# KiCad board oresat-adcs-card.kicad_pcb (continued)
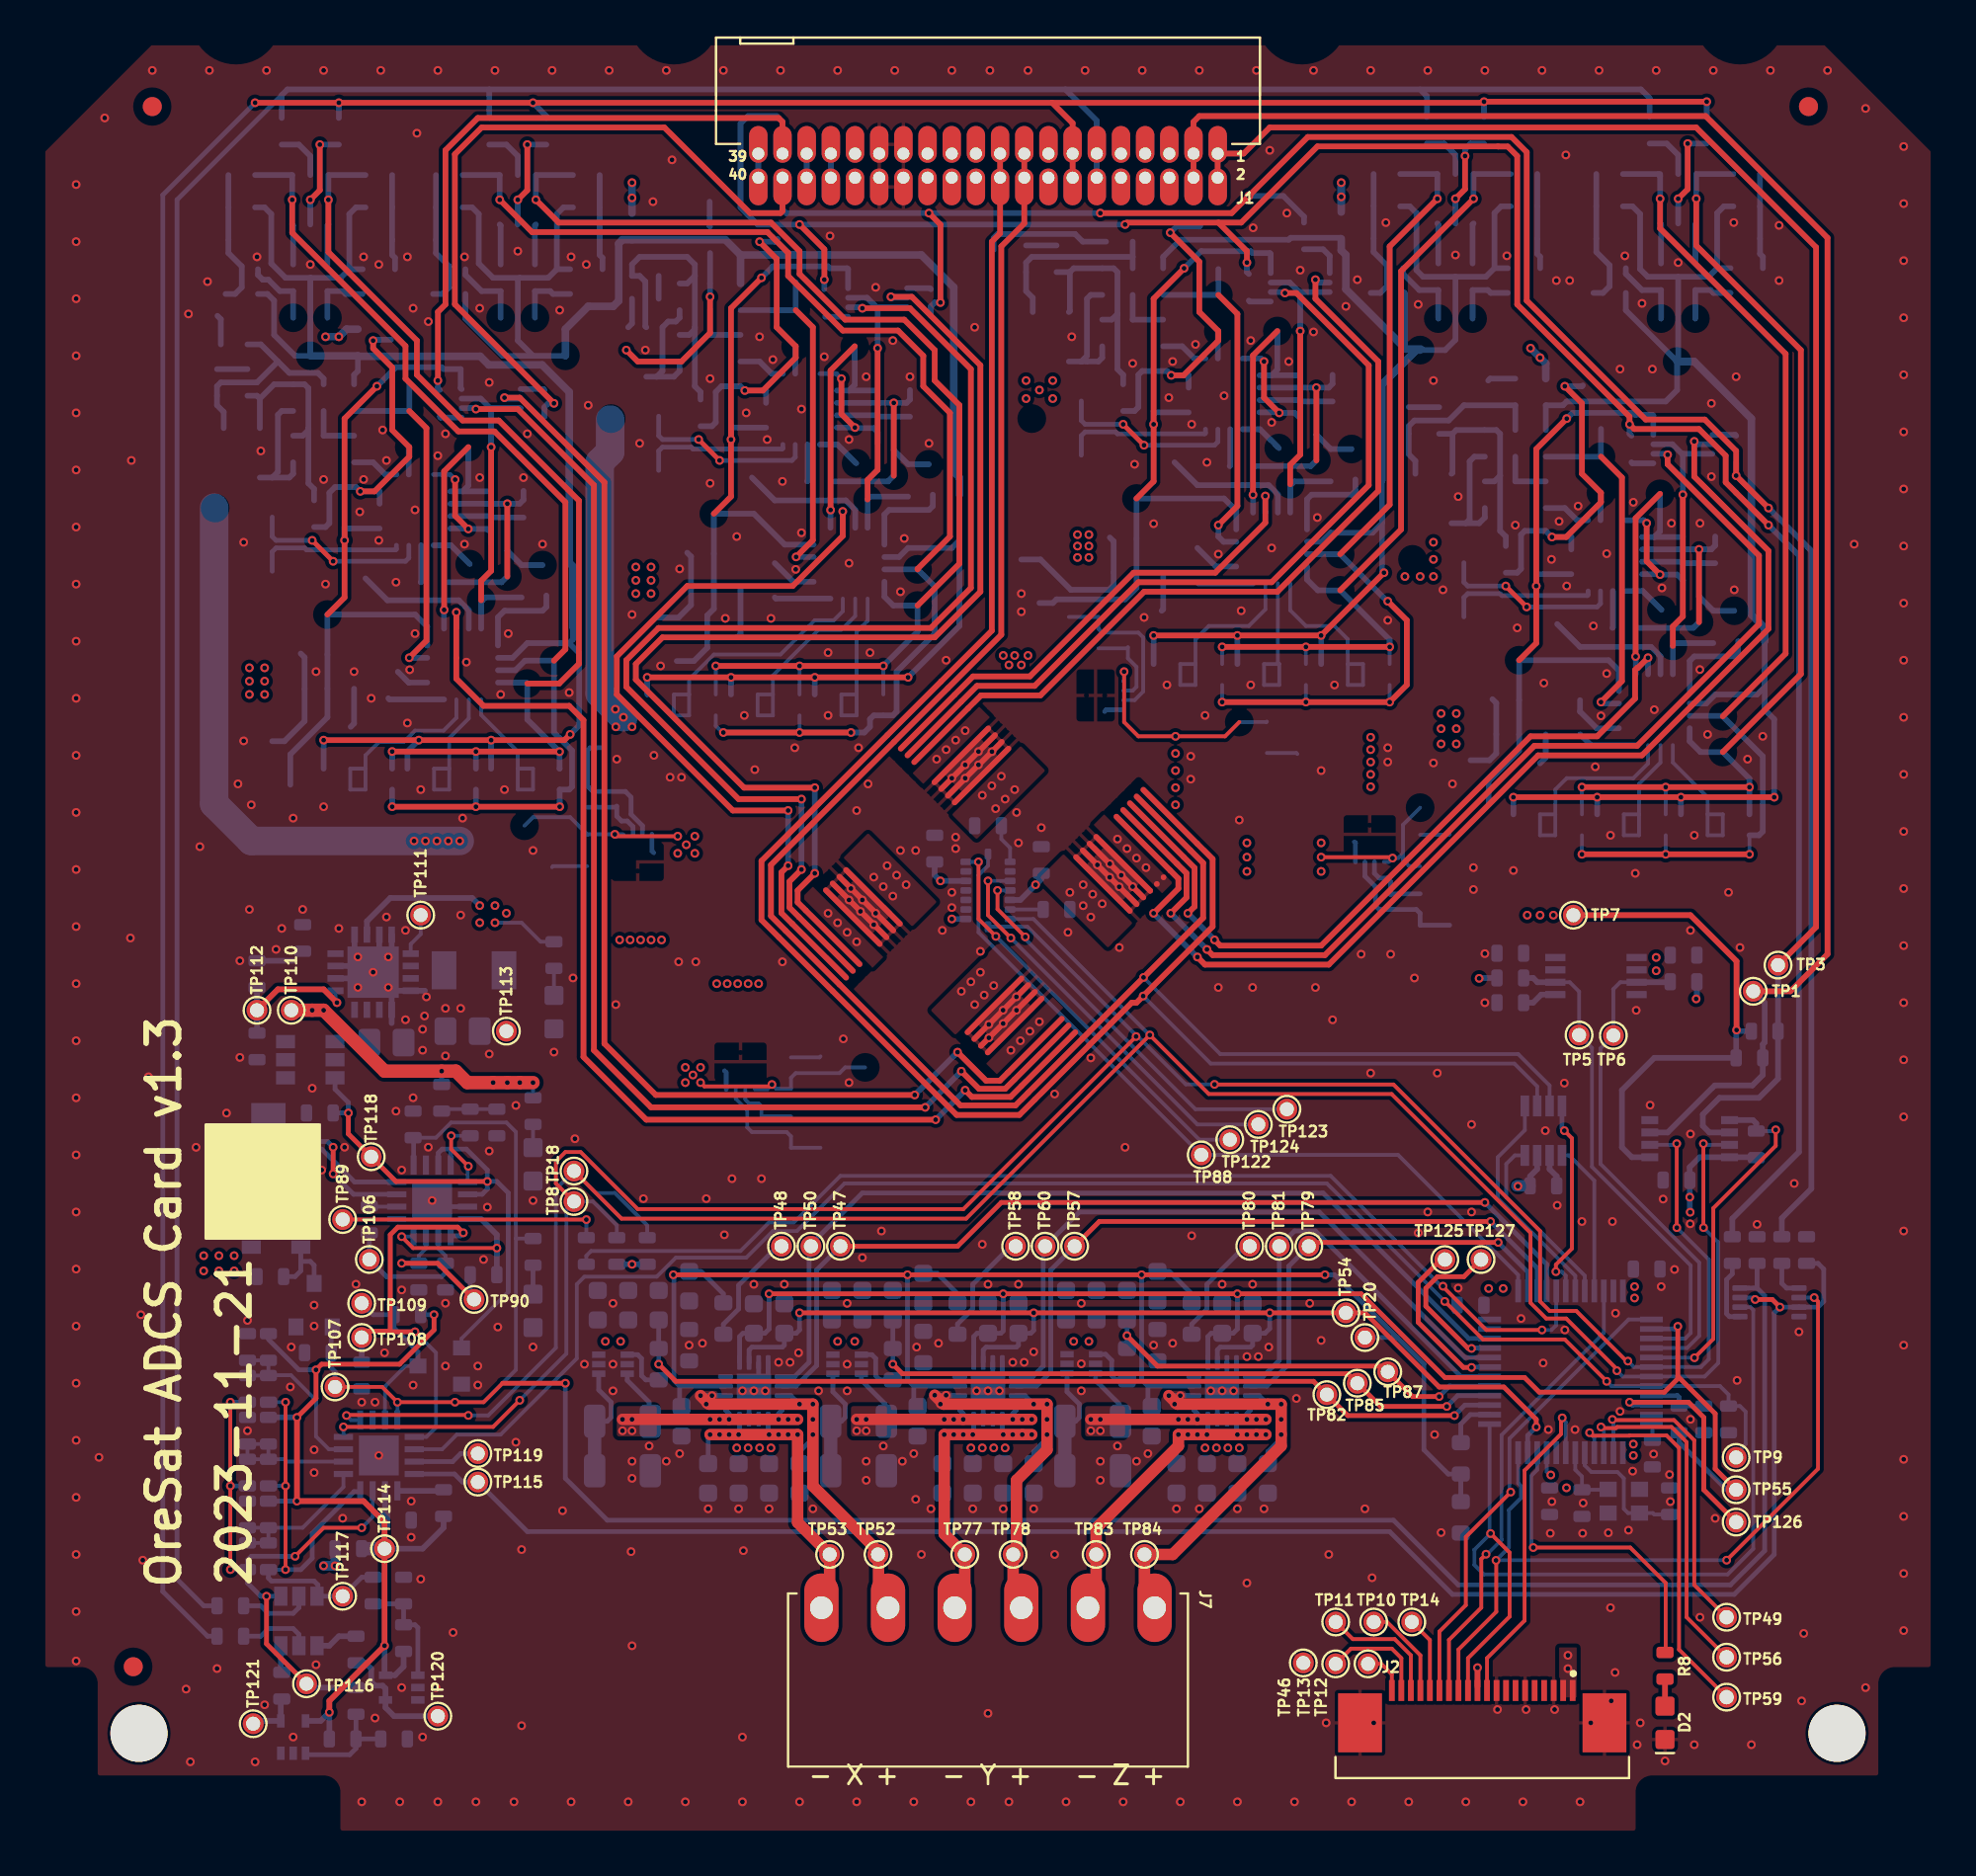
[diagram p0: board, top side]
## Routing (per net, layer and track width the routed paths; a pad name or vN(x,y) marks a point on that pad's centre or on a via; arc(x,y) is an arc through that point) (continued)
  Top w0.3: 57.35,54.38 60.75,50.98 60.75,48.95 v1(60.4,48.6) ; v1(48.3,41.3) 49.8,39.8 50.52,39.8 53.77,43.05 ; 23.28,65.05 23.28,66.08 23.8,66.6 v1(23.8,73.1) ; v1(36,58.1) v1(40,58.1) v1(42.7,58.1) ; v1(91.2,54.7) v1(86.3,54.7) v1(81.9,54.7) v1(77.5,54.7) ; 27.1,61.88 27.7,62.48 27.7,70.2 23.97,73.93 22.07,73.93 19.3,76.7 19.3,78.41 13.35,84.36 v1(13.35,86.1) ; v1(59.5,48.6) 60.33,49.43 60.33,50.7 57,54.03 ; v1(44.1,78.3) 44.1,71.9 43.58,71.38 43.58,70.35 ; v1(64.47,70.53) 64.47,69.13 61.84,66.5 57.55,66.5 52.1,61.05 49.11,61.05 45.32,57.25 ; v1(14.3,86.1) 14.8,86.6 v1(14.8,89) ; 22.6,73.1 21.33,71.83 v1(21.33,64.54) ; v1(74.96,88.4) 74.96,86.66 v1(74.46,86.16) ; v1(19.5,62.03) 20.4,62.93 20.4,74.1 19.5,75 ; 46.2,66.68 46.2,66.7 47.9,68.4 47.9,74.9 46.5,76.3 46.5,77.9 45.17,79.23 42.27,79.23 39.4,82.1 39.4,83.31 38.31,84.4 25.95,84.4 v1(24.25,86.1) ; v1(38,82) 36.4,80.4 v1(36.4,73.5) 36.4,70.5 35.5,69.6 ; v1(48.5,40.3) 49.43,39.37 50.8,39.37 54.13,42.7 ; v1(42.27,69.72) 42.27,68.43 39.64,65.8 34.1,65.8 30.4,62.1 30.4,60.1 36.5,54 v1(39.4,54) ; v1(60.9,46.3) 61.3,45.9 67.8,45.9 78.8,56.9 84.25,56.9 90.9,63.55 90.9,67.65 87,71.55 v1(87,73.4) ; v1(27.39,57.09) 27.38,57.1 v1(23,57.1) v1(18.6,57.1) ; v1(82.1,59.7) 83.2,60.8 83.2,71.5 82.1,72.6 ; 42.8,45.57 39.47,48.9 39.47,50.27 v1(40.1,50.9) ; v1(15,57.7) v1(20,57.7) v1(23.8,57.7) 27.65,57.7 v1(27.95,58) ; v1(70.7,66.5) v1(67.4,63.2) v1(63,63.2) v1(58.6,63.2) ; 68.4,65.58 71.6,68.78 71.6,82.35 v1(75.41,86.16) ; 46.2,64.78 48.4,66.98 48.4,75.3 47.1,76.6 47.1,78.2 45.5,79.8 42.4,79.8 40,82.2 40,83.4 38.5,84.9 27.35,84.9 v1(26.15,86.1) ; 56.65,53.67 59.9,50.42 59.9,49.9 v1(58.6,48.6) ; v1(25.2,86.1) 25.7,86.6 v1(25.7,89) ; v1(86.16,86.16) 86.66,86.66 v1(86.66,89.06) ; 39.8,80.3 40.7,79.4 40.7,68.21 v1(39.82,67.33) ; v1(71,62.6) v1(66.6,62.6) v1(62.2,62.6) ; v1(21.97,64.42) 21.97,62.02 21.97,60.93 23.4,59.5 27.9,59.5 28.65,58.75 28.65,41.05 31.95,37.75 v1(47.15,37.75) ; 87.25,63.9 v1(87.25,67.73) ; v1(84.57,62.03) 84.04,61.5 84,61.5 83.89,61.39 83.89,59.89 81.9,57.9 78.4,57.9 67.4,46.9 62.1,46.9 v1(61.8,47.2) ; v1(62,69) 63,70 63,80.1 62,81.1 ; 57.7,70.4 58.6,71.3 v1(58.6,74.3) 58.6,80.9 v1(60.2,82.5) ; 68.4,67.48 71,70.08 71,83.65 v1(73.5,86.16) ; 88.5,57.08 92.6,61.18 92.6,78.2 87.11,83.7 v1(87.11,86.16) ; v1(17.8,76.3) 16.1,74.6 v1(16.1,68.2) 16.1,65.2 15.2,64.3 ; v1(59.53,76.88) 60.18,76.88 62,78.7 62,79.2 61,80.2 61,82.84 v1(59.47,84.37) ; v1(40.8,55.2) 37.09,55.2 31.4,60.89 31.4,61.7 32.8,63.1 47.1,63.1 49.5,65.5 49.5,77.4 45.9,81 v1(44.8,81) ; 59.12,50.49 59.12,50.49 ; v1(22.6,68.8) 21.91,69.49 v1(21.91,71.39) ; 88.5,58.95 91.8,62.25 91.8,78 85.21,84.6 v1(85.21,86.16) ; v1(46.6,38.4) 32.2,38.4 29.2,41.4 29.2,71.1 25.2,75.1 v1(23,75.1) ; v1(42.2,76.7) 42.2,74.84 v1(42.91,74.13) ; v1(39.4,51.1) 39.05,50.75 39.05,48.62 42.45,45.22 ; v1(89.9,55.23) v1(85.5,55.23) v1(81.1,55.23) ; 46.03,56.55 49.53,60.05 52.65,60.05 58.1,65.5 65.1,65.5 70.4,70.8 70.4,77.6 67.1,80.9 v1(67.1,81.9) ; 85.88,62.65 85.88,63.68 86.4,64.2 v1(86.4,70.6) ; v1(80.3,74.6) 78.7,73 v1(78.7,65.8) 78.7,62.8 77.8,61.9 ; v1(85.2,66.4) 84.5,67.1 v1(84.5,69.1) ; 65.78,71.15 65.78,72.18 66.3,72.7 v1(66.3,79.2) ; v1(46.05,39.05) 32.45,39.05 29.75,41.75 29.75,71.25 25.3,75.7 v1(24.5,75.7) ; v1(85.6,72.7) 85.6,72.2 90.4,67.4 90.4,63.8 84,57.4 78.6,57.4 67.6,46.4 61.7,46.4 v1(61.4,46.7) ; 85.2,70.65 83.92,69.36 v1(83.92,62.09) ; v1(81.1,51.7) v1(85.5,51.7) v1(89.9,51.7) ; v1(40.8,50.7) 39.9,49.8 39.9,49.18 43.15,45.93 ; v1(17.6,78.7) 17.6,78.29 18.61,77.29 18.61,73.99 19.5,73.1 19.5,72.6 17.68,70.78 v1(16.93,70.78) ; 45.67,56.9 49.32,60.55 52.35,60.55 57.8,66 64.8,66 69.9,71.1 69.9,77.4 66.1,81.2 v1(65.5,81.2) ; 25.7,60.68 27.38,60.68 28.41,61.71 28.41,70.29 24.2,74.5 22.3,74.5 19.9,76.9 19.9,78.7 15.25,83.35 v1(15.25,86.1) ; 67.15,72.4 v1(67.15,76.23) ; 44.95,71.6 v1(44.95,75.43) ; 65.1,79.2 63.82,77.92 v1(63.82,70.59) ; v1(65.2,74.9) 64.4,75.7 v1(64.4,77.6) ; v1(30.9,78.2) 31.5,77.6 33.8,77.6 35.3,79.1 v1(35.3,81) ; v1(45.7,61) v1(40.8,61) v1(36.4,61) v1(32,61) ; v1(35.6,61.6) v1(40,61.6) v1(44.4,61.6) ; v1(79.53,68.38) 80.28,68.38 82.1,70.2 82.1,70.7 81.1,71.7 81.1,75.4 v1(80.2,76.3) ; 54.48,42.35 51.08,38.95 49.05,38.95 v1(48.7,39.3) ; v1(18.6,54.2) v1(23,54.2) v1(27.4,54.2) ; v1(70.9,65) 71.9,64 71.9,60.6 v1(71,59.7) v1(66.6,59.7) v1(62.2,59.7) ; v1(43.3,80.4) 45.8,80.4 49,77.2 49,65.7 46.89,63.59 32.59,63.59 30.9,61.9 30.9,60.5 36.8,54.6 v1(40.1,54.6) ; v1(24.65,70.13) 24.65,66.3 ; 42.9,78.4 41.63,77.13 v1(41.63,69.79) ; v1(37.9,83.89) 38.8,82.99 38.8,79.4 39.8,78.4 39.8,77.8 38.08,76.08 v1(37.12,76.08)
  In1.Cu w1.5: 49.2,67.5 49.2,70.1 52.25,73.15 52.25,75.65 ; 29.53,58.77 29.15,58.39 29.15,49.15 v1(31.1,47.2) v1(32.75,47.2) 40.65,47.2 42.05,45.8 43.7,45.8 45.4,47.5 45.4,49.65 44.3,50.75 ; 72.2,67.3 72.2,59.2 71.4,58.4 ; v1(19.75,52.4) 23.3,52.4 30.8,44.9 v1(35.65,44.9) 39.25,44.9 40.95,43.2 44.7,43.2 46.1,44.6 49.3,44.6
  Bottom w0.2: 35.6,60.1 v1(35.6,61.6) ; 64.55,57.03 66.1,57.03 66.15,56.97 ; 17.2,56.2 17.2,56.9 17.9,57.6 19.2,57.6 19.8,58.2 21.3,58.2 21.98,58.88 21.98,59.84 ; 17.2,56.2 17.2,55.1 16.4,55.1 16.4,56.2 17.2,56.2 ; 71.7,51.75 71.7,53.25 72.6,54.15 ; 71.7,51.75 71.45,51.5 v1(71.15,51.5) 70.95,51.3 70.7,51.3 ; 71.7,51.75 71.7,51.4 72.03,51.08 72.6,51.08 ; 68.8,61.7 68.8,60.6 69.6,60.6 69.6,61.7 68.8,61.7 ; 68.8,61.7 68.8,63 68.1,63.7 66.6,63.7 65.78,64.53 65.78,65.94 ; 21.6,56.2 21.6,55.1 20.8,55.1 20.8,56.2 21.6,56.2 ; 21.6,56.2 21.6,57.82 22.62,58.84 22.62,59.84 ; 27,51.02 27.05,51.08 28.85,51.08 ; 79.7,53.8 79.7,52.7 78.9,52.7 78.9,53.8 79.7,53.8 ; 79.7,53.8 79.7,55.1 80.3,55.7 83.8,55.7 84.58,56.48 84.58,57.44 ; 41.1,36.28 39.55,36.28 39.55,36.88 39.33,37.1 37.5,37.1 37.25,37.35 37.25,38.25 36.65,38.85 36.65,39.35 ; 85.5,52.7 v1(85.5,51.7) ; 62.2,60.6 v1(62.2,59.7) ; 39.55,41.03 41.05,41.03 41.1,41.08 ; 81.1,53.8 v1(81.1,55.23) ; 71,61.7 v1(71,62.6) ; 37.15,39.35 37.15,38.81 37.36,38.6 37.85,38.6 38,38.45 38,37.88 38.05,37.93 39.55,37.93 ; 57,59.8 57.6,59.8 58.05,60.25 58.05,63.1 57.8,63.35 55.9,63.35 55.7,63.55 55.7,64.18 54.15,64.18 ; 84.1,53.8 84.1,52.7 83.3,52.7 83.3,53.8 84.1,53.8 ; 84.1,53.8 84.1,55.4 85.22,56.53 85.22,57.44 ; 87.7,53.8 87.7,52.7 88.5,52.7 88.5,53.8 87.7,53.8 ; 87.7,53.8 87.7,54.7 85.88,56.53 85.88,57.44 ; 43,60.1 43,63.4 43.58,63.98 43.58,65.14 ; 43,60.1 42.2,60.1 42.2,59 43,59 43,60.1 ; v1(66.6,59.7) 66.6,60.6 ; 60.8,61.7 60,61.7 60,60.6 60.8,60.6 60.8,61.7 ; 60.8,61.7 60.8,63 61.5,63.7 63.6,63.7 64.47,64.58 64.47,65.94 ; 43.45,40.5 42.4,40.5 42.1,40.2 39.8,40.2 39.55,39.95 39.55,39.38 38.78,39.38 v1(38.55,39.6) 38.3,39.35 37.65,39.35 ; v1(44.4,61.6) 44.4,60.1 ; 34.2,60.1 33.4,60.1 33.4,59 34.2,59 34.2,60.1 ; 34.2,60.1 34.2,60.9 35.5,62.2 39,62.2 40.8,64 41.8,64 42.28,64.48 42.28,65.14 ; 71,60.6 v1(71,59.7) ; 62.2,61.7 v1(62.2,62.6) ; 25.2,56.2 26,56.2 26,55.1 25.2,55.1 25.2,56.2 ; 25.2,56.2 25.2,57.1 23.28,59.03 23.28,59.84 ; v1(36,58.1) 35.95,58.1 35.6,58.45 35.6,59 ; 42.93,65.14 42.93,64.23 42.2,63.5 41,63.5 38.6,61.1 38.6,60.1 ; 74.15,52.76 74.11,52.73 72.6,52.73 ; 64.55,58.68 64.53,58.65 63.1,58.65 ; 65.12,65.94 65.12,61.78 65.2,61.7 ; 65.2,61.7 64.4,61.7 64.4,60.6 65.2,60.6 65.2,61.7 ; 85.5,53.8 v1(85.5,55.23) ; 57,60.8 57.05,60.85 v1(57.05,61.3) ; 38.6,60.1 38.6,59 37.8,59 37.8,60.1 38.6,60.1 ; 55.7,62.53 57.2,62.53 57.25,62.58 57.25,62 57.7,61.55 57.7,60.5 57.5,60.3 57,60.3 ; 81.1,52.7 v1(81.1,51.7) ; v1(89.9,51.7) 89.9,52.7 ; v1(40,58.1) 40,59 ; 30.75,52.75 v1(30.3,52.75) 28.88,52.75 28.85,52.73 28.85,52.75 27.95,53.65 26,53.65 25.55,53.2 ; 66.6,61.7 v1(66.6,62.6) ; v1(40,61.6) 40,60.1
  Bottom w0.25: 72.6,49.63 71.1,49.63 71.05,49.58 71.05,50.25 70.85,50.45 70.45,50.45 70.2,50.7 70.2,51.3 ; 61.97,74.04 61.97,73.38 61.8,73.2 v1(58.09,73.2) ; 54.8,75.52 54.8,74.5 55,74.3 v1(57,74.3) ; 69.7,51.3 69.7,50.55 70.25,50 70.25,49 70.45,48.8 72.4,48.8 72.6,48.6 72.6,47.98 74.15,47.98 ; 74.9,67.02 74.9,66 75.1,65.8 v1(77.1,65.8) ; 54.8,72.68 54.8,73.7 55,73.9 56.6,73.9 56.7,73.8 61.28,73.8 61.33,73.84 61.33,74.04 ; v1(34.7,73.5) 32.8,73.5 32.6,73.7 32.6,74.72 ; 19.48,67.94 19.48,67.28 19.3,67.1 v1(15.5,67.1) ; v1(35.8,72.4) 39.6,72.4 39.78,72.58 39.78,73.24 ; 81.43,65.54 81.43,65.34 81.38,65.3 76.9,65.3 76.8,65.4 75.1,65.4 74.9,65.2 74.9,64.18 ; 31.25,52.75 31.25,53.15 30.95,53.45 30.65,53.45 30.4,53.7 30.4,54.23 30.35,54.18 28.85,54.18 ; 41.08,76.96 41.94,76.96 v1(42.2,76.7) ; 12.3,66.58 12.3,67.6 12.5,67.8 14,67.8 14.1,67.7 18.78,67.7 18.83,67.74 18.83,67.94 ; 32.6,71.88 32.6,72.9 32.8,73.1 34.3,73.1 34.4,73 39.08,73 39.12,73.04 39.12,73.24 ; v1(14.4,68.2) 12.5,68.2 12.3,68.4 12.3,69.42 ; v1(21.91,71.39) 21.64,71.66 20.78,71.66 ; 82.08,65.54 82.08,64.88 81.9,64.7 v1(78.19,64.7) ; 31.75,52.75 31.75,53.2 31.15,53.8 31.15,54.7 30.85,55 29.15,55 28.85,55.3 28.85,57.15 29,57.3 29.58,57.3
  Bottom w0.3: 40.74,67.98 39.22,67.98 37.6,69.6 35.5,69.6 35.5,64.6 35.15,64.25 35.15,62.56 34.45,61.86 33.55,61.86 ; 59.1,66.5 59.1,64.58 59.02,64.5 ; 44.1,76.1 44.08,76.08 42.6,76.08 ; 59.7,72.3 60.9,71.1 64.64,71.1 65.12,70.62 65.12,69.66 ; 41.8,71.3 44.65,71.3 44.95,71.6 ; 12.6,77.6 11.5,76.5 9.6,76.5 9.4,76.3 9.4,75.3 9.75,74.95 9.75,74.1 ; 12.6,77.6 11.7,78.5 11,78.5 ; 12.6,77.6 13.2,77 14.7,77 15,76.7 15,76.4 ; 72,75.2 73.6,75.2 ; 76.8,71.6 76.8,68.7 77.1,68.4 77.1,67.9 ; 76.8,71.6 76.8,73.8 76.6,74 74.5,74 74.3,73.8 ; 76.8,71.6 76.5,71.3 76,71.3 ; 85.21,87.36 v1(85.21,86.16) ; 85.21,87.36 85.11,87.46 83.25,87.46 ; 85.21,87.36 85.21,87.46 ; 64.47,69.66 64.47,69.66 v1(64.47,70.53) ; 27.25,82.45 26.8,82 25.3,82 ; 27.25,82.45 27.25,85.35 27.6,85.7 28.1,85.7 ; 27.25,82.45 27.95,82.45 ; 34.1,67.55 34.3,67.35 34.3,64.8 33.64,64.14 32.6,64.14 ; v1(19.5,62.03) 19.51,62.03 20.44,62.03 ; 22.25,75.65 23.25,75.65 23.8,75.1 ; 54.2,82.3 54.2,80.25 54.15,80.2 ; 54.2,82.3 54.4,82.5 56.5,82.5 56.7,82.3 56.7,80.1 ; 54.2,82.3 53.5,82.3 ; 86.4,68.4 86.38,68.38 84.9,68.38 ; v1(59.47,84.37) 59.81,84.7 61,84.7 61.05,84.74 ; 32.5,76.8 32.8,77.1 32.8,79.4 33.1,79.7 33.5,79.7 33.7,79.9 33.7,80.3 ; 32.5,76.8 33.4,76.8 33.7,77.1 33.7,77.6 ; 32.5,76.8 31.95,76.8 ; 34.5,82.1 34.1,81.7 33.7,81.7 ; 34.5,82.1 34.5,82.7 34.1,83.1 31.6,83.1 31.2,82.7 31.2,82.1 31.6,82.1 31.9,81.8 31.9,79.45 31.95,79.4 ; 34.5,82.1 34.5,79.4 ; 13.4,72.3 13.4,71.7 13.2,71.5 12.3,71.5 ; 81,59.8 81,59.2 81.88,58.33 83.04,58.33 ; 12.3,71.5 11.65,71.5 ; 12.3,71.5 12.6,71.8 12.6,74.8 12.8,75 13.4,75 ; 83.38,69.26 84.34,69.26 v1(84.5,69.1) ; 23.8,70.8 23.78,70.78 22.3,70.78 ; 24.65,66.3 24.35,66 21.5,66 ; 59.1,78.4 60.1,78.4 60.74,77.76 61.33,77.76 ; 21.66,70.78 22.3,70.78 ; 22.3,70.78 22.6,71.08 22.6,73.1 ; 78.9,56.48 79.2,56.78 79.2,58 ; 66.3,76.9 66.28,76.88 64.8,76.88 ; 76.18,76.6 76.28,76.7 77.6,76.7 ; v1(15,57.7) 15,56.2 ; 44.1,80.4 43.55,80.95 42.55,80.95 ; 44.1,80.4 v1(44.1,78.3) ; 44.1,80.4 44.15,80.45 45.65,80.45 ; v1(86.3,54.7) 86.3,53.8 ; 13.25,55.36 13.25,56.95 15.2,58.9 15.2,64.3 19.81,64.3 20.44,63.67 20.44,62.68 ; v1(71,62.6) 71,62.98 68.4,65.58 67.22,65.58 66.66,66.14 66.66,66.83 ; 60.9,66 60.96,65.94 63.83,65.94 ; 69.2,71.4 69.2,70.8 69,70.6 66.9,70.6 66.66,70.36 66.66,68.78 ; 24.16,61.38 25.08,61.38 25.58,61.88 27.1,61.88 27.1,58.1 28.05,57.15 28.05,55.25 27.9,55.1 27.4,55.1 v1(27.4,54.2) ; 12.3,57.64 12.94,57.64 14,58.7 14,62.05 13.8,62.25 ; v1(37.9,83.89) 38.7,83.89 38.85,84.04 ; 86.4,65.6 86.4,66.1 86.1,66.4 v1(85.2,66.4) 85.18,66.43 84.26,66.43 ; 14.3,82 15.9,82 16.35,82.45 ; 14.3,82 13,82 12.25,82.75 12.25,85.35 11.9,85.7 11.4,85.7 ; 14.3,82 14.3,77.9 13.5,77.9 12.4,79 12.4,80.8 12.05,81.15 11.55,81.15 ; 75.41,84.86 75.36,84.81 75.36,82.76 ; 57.5,83.1 57.5,83.9 ; 57.5,83.1 57.5,82.5 ; 57.5,83.1 52.2,83.1 51.9,82.8 51.9,81.3 52.25,80.95 52.25,80.2 ; 77.6,74 77.6,75.3 74.9,75.3 74.1,74.5 72.3,74.5 72,74.2 72,72.73 72.35,72.38 72.35,71.7 ; 87.95,73.25 87.15,73.25 v1(87,73.4) ; 25.35,75.65 24.55,75.65 v1(24.5,75.7) ; 41.96,75.43 v1(44.95,75.43) 45.62,75.43 45.8,75.6 45.8,76.1 ; 90.7,60.5 90.7,59.3 91.2,58.8 v1(91.2,54.7) ; 90.7,60.5 90.3,60.1 88.1,60.1 87.62,59.63 86.76,59.63 ; 90.7,60.5 90.7,62.9 ; 82.72,65.54 82.72,63.63 82.7,63.6 ; 38.7,65.2 38.76,65.14 41.62,65.14 ; 86.16,82.06 87.75,82.06 88.21,82.51 ; 86.16,82.06 84.56,82.06 84.16,82.46 84.16,85.36 83.75,85.76 83.25,85.76 ; 86.16,82.06 86.16,77.66 86.1,77.6 ; v1(17.8,76.3) 18.8,77.3 21.2,77.3 21.3,77.2 22.2,77.2 22.2,76.2 22.25,76.15 ; 85.2,70.65 85.2,68.68 84.9,68.38 ; 38.24,75.43 38.24,76.08 v1(37.12,76.08) 36.9,76.3 35.9,76.3 35.6,76 35.6,74.4 35.4,74.2 34.8,74.2 ; v1(23.8,57.7) 23.8,56.2 ; 21.66,70.13 v1(24.65,70.13) 25.3,70.13 25.5,70.33 25.5,70.8 ; 45.65,80.95 44.85,80.95 v1(44.8,81) ; 59.1,81.1 62,81.1 62,82.46 ; 16.8,77.9 16.8,77.1 16.6,76.9 16.6,76.4 ; 21.33,59.84 18.46,59.84 18.4,59.9 ; 11.4,87.4 13.35,87.4 v1(13.35,86.1) ; v1(80.3,74.6) 80.6,74.9 83.8,74.9 83.9,74.8 84.8,74.8 84.85,74.75 84.85,73.75 ; 42.93,68.86 42.93,69.81 42.43,70.3 38.7,70.3 37.5,71.5 ; 23.28,63.56 23.28,65.05 23.35,65.05 23.5,65.2 25.4,65.2 ; 78.91,82.51 78.91,83.11 78.75,83.26 78.75,87.46 ; 62.94,66.83 61.88,66.83 60.9,67.8 ; 46.8,72.2 45.7,72.2 44.95,72.95 44.95,74.7 ; 85.28,64.55 84.28,65.54 83.38,65.54 ; 44.46,66.03 44.46,65.24 44.93,64.78 46.2,64.78 46.2,63.4 v1(44.4,61.6) ; 88.1,68.4 88.1,67.93 87.9,67.73 v1(87.25,67.73) 84.26,67.73 ; 86.76,60.28 86.76,61.86 87,62.1 89.1,62.1 89.3,62.3 89.3,62.9 ; 87.11,84.86 87.06,84.81 87.06,82.76 ; v1(70.7,66.5) 70.6,66.6 70.6,69.7 ; 77.36,87.46 75.41,87.46 v1(75.41,86.16) ; 16.42,58.4 16.6,58.58 16.6,60.4 ; 67.85,82.25 67.85,83.15 67.5,83.5 66.5,83.5 ; 11.55,82.45 11.55,82.15 11.8,81.9 12.1,81.9 12.7,81.3 13.4,81.3 13.4,79.9 ; 35.3,83.3 v1(35.3,81) ; 74.46,84.86 v1(74.46,86.16) ; 21.33,63.56 21.33,64.54 v1(21.33,64.54) ; 83.04,60.28 83.04,61.36 82.5,61.9 77.8,61.9 77.8,57.15 76.2,55.55 76.2,54.36 ; v1(58.6,48.6) v1(60.9,46.3) ; 39.8,78.4 39.78,78.38 39.78,76.96 ; 58.6,61.7 v1(58.6,63.2) ; v1(38,82) 38.6,82.6 41.5,82.6 41.6,82.5 42.5,82.5 42.55,82.45 42.55,81.45 ; 66.66,67.48 68.4,67.48 70.88,65 v1(70.9,65) ; v1(85.6,72.7) 85.55,72.75 84.85,72.75 ; 79.2,72.6 82.1,72.6 82.1,74.06 ; 85.21,84.86 85.25,84.81 85.25,82.76 ; 48.4,68.2 48.4,70.6 ; 48.4,68.2 48.4,63.7 v1(45.7,61) ; 48.4,68.2 48,67.8 45.7,67.8 45.22,67.33 44.46,67.33 ; v1(80.2,76.3) 81.1,76.3 81.15,76.34 ; 27.95,81.15 27.05,81.15 26.9,81.3 26.1,81.3 26.1,79.9 ; v1(86.4,70.6) 86.4,72.7 ; 86.4,72.7 86.45,72.75 87.95,72.75 ; 86.4,72.7 85.85,73.25 84.85,73.25 ; 74.46,82.06 74.46,78.74 73.91,78.2 72.6,78.2 ; 74.46,82.06 72.75,82.06 72.41,82.41 72.41,85.41 72.06,85.76 71.56,85.76 ; 74.46,82.06 76.06,82.06 76.5,82.51 ; 13.4,82.7 13.4,84.75 13.35,84.8 ; 36.9,65.7 36.9,63.28 36.72,63.1 ; v1(36.4,73.5) 36.4,74.2 36.47,74.13 38.24,74.13 ; 14.2,74.1 14.2,74 13.9,73.7 13.4,73.7 ; 14.2,74.1 14.2,76.2 14,76.4 12.4,76.4 11.65,75.65 ; 14.2,74.1 14.2,71.2 14.5,70.9 14.5,70.3 ; 14.3,87.4 14.3,88.4 13.7,89 12.8,89 ; 17.2,66.2 18.35,65.05 22.1,65.05 22.62,64.53 22.62,63.56 ; 85.22,61.16 85.22,62.11 84.73,62.6 81,62.6 79.8,63.8 ; 26,77.9 27.7,77.9 ; 26,77.9 25.2,78.7 25.2,81.9 25.3,82 ; 26,77.9 24.4,77.9 22.45,79.85 22.45,81.15 ; 20.1,66 20.12,66.03 20.12,67.94 ; 10,87.4 10,83.3 10.7,82.6 10.7,81.5 10.35,81.15 9.85,81.15 ; 40.8,60.1 v1(40.8,61) ; 81.43,69.26 80.84,69.26 80.2,69.9 79.2,69.9 ; 86.76,58.98 88.47,58.98 90.6,56.85 90.6,52.9 90.4,52.7 89.9,52.7 ; 87.95,73.75 89.15,73.75 89.2,73.7 ; 67.15,72.4 66.85,72.1 64,72.1 ; 64.16,75.58 66.22,75.58 66.3,75.5 67.15,75.5 ; 45.8,74.7 44.95,74.7 ; 44.95,74.7 44.1,74.7 44.03,74.78 41.96,74.78 ; v1(74.96,88.4) 74.96,88.76 75.25,89.06 75.96,89.06 ; 42.28,68.86 42.28,69.72 v1(42.27,69.72) ; 70.6,69.7 70.6,71.4 ; 70.6,69.7 70.6,69.1 70.1,68.6 67.9,68.6 67.43,68.13 66.66,68.13 ; 82.08,69.26 82.08,70.68 82.1,70.7 ; 42.9,78.4 42.9,76.38 42.6,76.08 ; 88.21,82.51 88.21,85.41 88.56,85.76 89.06,85.76 ; 88.21,82.51 88.91,82.51 ; 18.6,56.2 v1(18.6,57.1) ; 65.78,69.66 65.78,71.15 65.85,71.15 66,71.3 67.9,71.3 ; 66.3,81.2 66.35,81.25 67.85,81.25 ; 66.3,81.2 65.75,81.75 64.75,81.75 ; 66.3,81.2 v1(66.3,79.2) ; 59.1,82.5 59.1,83.1 60,84 65.7,84 65.8,84.1 68.41,84.1 68.46,84.06 ; 36.9,77.6 37.9,77.6 38.54,76.96 39.12,76.96 ; 55.9,79.8 56.4,79.8 56.7,80.1 ; 86.16,87.46 86.16,88.46 85.56,89.06 84.66,89.06 ; 68,75.5 67.15,75.5 ; 67.15,75.5 67.15,73.75 67.9,73 69,73 ; 24.65,69.4 25.5,69.4 ; 24.65,69.4 23.8,69.4 23.73,69.48 21.66,69.48 ; 24.65,69.4 24.65,67.65 25.4,66.9 26.5,66.9 ; 76,72.6 75.45,72.6 75.2,72.35 75.2,69.3 75,69.1 ; 77.1,66.5 77.7,66.5 77.9,66.7 77.9,68.5 78.1,68.7 79.2,68.7 v1(79.53,68.38) 80.54,68.38 80.54,67.73 ; 59.1,79.8 57.5,79.8 57.5,81.1 ; 22.3,85.7 22.8,85.7 23.15,85.35 23.15,82.75 23.9,82 25.3,82 ; v1(87.11,86.16) 87.11,87.46 89.06,87.46 ; 84.1,63.6 86.95,63.6 87.25,63.9 ; 19.5,73.1 19.48,73.08 19.48,71.66 ; 77.21,81.21 76.31,81.21 76.16,81.36 75.36,81.36 75.36,79.86 ; 21.1,74.7 21.15,74.65 22.25,74.65 ; 84.26,67.08 86.33,67.08 86.4,67 87.25,67 ; 61.97,77.76 61.97,79.18 62,79.2 ; 89.9,53.8 v1(89.9,55.23) 89.9,55.68 88.5,57.08 87.33,57.08 86.76,57.64 86.76,58.33 ; 74.3,73.8 74.3,71.75 74.25,71.7 ; 74.3,73.8 73.6,73.8 ; 86.1,77.6 86.1,76.1 85.5,75.5 80.3,75.5 80.1,75.3 79.2,75.3 79.2,74 ; 86.1,77.6 83.41,80.3 83.41,81.21 ; 81,58 81.56,57.44 83.93,57.44 ; 25.35,76.15 26.55,76.15 26.6,76.1 ; 29.65,82.45 29.65,83.05 29.5,83.2 29.5,87.4 ; 34.5,79.4 34.5,76.3 34.8,76 34.8,75.6 ; 34.5,79.4 34.5,79.3 34.2,79 33.7,79 ; 76,69.9 76,69.4 75.7,69.1 75,69.1 ; 81.86,87.46 81.86,83.36 82.56,82.66 82.56,81.56 82.21,81.21 81.71,81.21 ; 60.44,76.23 60.44,76.88 v1(59.53,76.88) 59.3,77.1 58,77.1 57.8,76.9 57.8,75.2 57.6,75 57,75 ; 51.9,83.7 53.5,83.7 ; 35.28,86 35.28,84.72 35.3,84.7 ; 75,69.1 74.25,69.1 ; 41.62,68.86 41.62,69.79 v1(41.63,69.79) ; 9.42,80 9.6,79.82 9.6,78.5 ; 64.16,76.23 v1(67.15,76.23) 67.8,76.23 68,76.43 68,76.9 ; 54.8,77.6 55.7,77.6 55.9,77.8 55.9,78.4 ; 54.8,77.6 54.15,77.6 ; 54.8,77.6 55.1,77.9 55.1,80.9 55.3,81.1 55.9,81.1 ; 11.65,75.65 11.65,74.1 ; 11.65,75.65 11.5,75.8 11,75.8 ; 17.05,81.15 16.15,81.15 16,81.3 15.2,81.3 15.2,79.9 ; 76.5,82.51 77.21,82.51 ; 76.5,82.51 76.5,85.41 76.86,85.76 77.36,85.76 ; 83.7,72.3 83.75,72.25 84.85,72.25 ; 25.2,84.8 v1(25.2,86.1) ; 89.1,64.5 88,64.5 87.25,65.25 87.25,67 ; 64.8,76.88 64.16,76.88 ; 64.8,76.88 65.1,77.18 65.1,79.2 ; 75.25,56.64 76.24,56.64 76.6,57 76.6,59.65 76.4,59.85 ; 62.94,68.78 62.94,69.76 62.3,70.4 57.7,70.4 57.7,65.7 57.1,65.1 53.5,65.1 53.31,64.91 52.6,64.91 ; 22.68,66.95 21.68,67.94 20.78,67.94 ; 56.3,68.35 56.5,68.15 56.5,65.85 56.25,65.6 54.25,65.6 52.66,67.19 51.65,67.19 ; 83.04,59.63 82.18,59.63 v1(82.1,59.7) ; v1(84.57,62.03) 84.58,62.03 84.58,61.16 ; 27.4,56.2 27.39,56.21 v1(27.39,57.09) 25.7,58.78 25.7,60.68 25.65,60.73 24.16,60.73 ; 40.74,66.03 39.68,66.03 38.7,67 ; 23.8,68 23.8,68.6 23.6,68.8 v1(22.6,68.8) 22.58,68.83 21.66,68.83 ; 16.35,82.45 17.05,82.45 ; 16.35,82.45 16.35,85.35 16.7,85.7 17.2,85.7 ; 16.6,72.3 17.6,72.3 18.24,71.66 18.83,71.66 ; 73.56,82.76 73.56,84.81 73.5,84.86 ; 64.16,74.93 65.18,74.93 v1(65.2,74.9) 66,74.9 66.3,74.6 66.3,74.1 ; v1(63,63.2) 63,61.7 ; 28.1,87.4 26.15,87.4 v1(26.15,86.1) ; 24.3,82.7 24.3,84.75 24.25,84.8 ; v1(16.1,68.2) 16.1,68.9 16.18,68.83 17.94,68.83 ; 23.8,75.1 23.85,75.15 25.35,75.15 ; 23.8,75.1 v1(23.8,73.1) ; v1(15.25,86.1) 15.25,87.4 17.2,87.4 ; 14.3,84.8 v1(14.3,86.1) ; 56.1,83.9 54.88,83.9 54.48,84.3 50.4,84.3 50.2,84.1 50.2,83.48 ; v1(78.7,65.8) 78.7,66.5 78.78,66.43 80.54,66.43 ; v1(73.5,86.16) 73.5,87.46 71.56,87.46 ; v1(48.5,40.3) v1(46.6,38.4) ; v1(23,54.2) 23,55.1 ; 32,60.1 v1(32,61) ; 17.94,70.13 17.94,70.78 v1(16.93,70.78) 16.7,71 15.6,71 15.3,70.7 15.3,69.1 15.1,68.9 14.5,68.9 ; 87.25,67 88.1,67 ; 90.46,87.46 90.46,83.26 90.61,83.11 90.61,82.51 ; 44.46,67.98 44.46,69.56 44.7,69.8 46.8,69.8 47,70 47,70.6 ; 43.58,68.86 43.58,70.38 43.7,70.5 45.7,70.5 ; 63.28,77.76 64.24,77.76 v1(64.4,77.6) ; 26.7,89 v1(25.7,89) ; 18.6,55.1 v1(18.6,54.2) ; 63.6,80.8 63.65,80.75 64.75,80.75 ; 62.62,74.04 62.62,72.13 62.6,72.1 ; 20.75,81.15 21.25,81.15 21.6,81.5 21.6,82.6 20.9,83.3 20.9,87.4 ; 35.3,80.3 35.3,79 36.9,79 ; 60.44,74.93 58.68,74.93 58.6,75 v1(58.6,74.3) ; 41.96,74.13 42.91,74.13 v1(42.91,74.13) 42.94,74.1 43.89,74.1 44.1,73.89 44.1,73.3 ; 77.6,72.6 77.6,71.3 79.2,71.3 ; 22.45,82.45 22.45,82.15 23.3,81.3 24.3,81.3 24.3,79.9 ; 44.46,66.68 46.2,66.68 47.1,65.78 47.1,63.3 45.1,61.3 45.1,59.2 44.9,59 43.9,59 43.7,58.8 43.7,58.4 43.4,58.1 v1(42.7,58.1) ; 23.7,89 24.6,89 25.2,88.4 25.2,87.4 ; 27.9,62.8 28.42,62.28 28.42,58.47 v1(27.95,58) ; 27.9,62.8 25.7,62.8 24.93,62.03 24.16,62.03 ; 27.9,62.8 28.1,63 28.1,63.6 ; 42.97,72.25 41.98,73.24 41.08,73.24 ; 67.85,81.75 67.25,81.75 v1(67.1,81.9) ; 71.71,82.51 71.71,82.21 72.56,81.36 73.56,81.36 73.56,79.86 ; 15,75 15,73.7 16.6,73.7 ; 18.55,78.74 17.64,78.74 v1(17.6,78.7) ; v1(62,69) 62,68.4 62.28,68.13 62.94,68.13 ; v1(48.3,41.3) v1(46.05,39.05) ; 15.8,89 v1(14.8,89) ; 57,76.4 57,76.9 56.7,77.2 56.7,80.1 ; 32.6,80.9 32.6,82.1 ; 88,62.8 86,62.8 85.88,62.68 85.88,61.16 ; 24.16,62.68 24.16,64.16 24.5,64.5 26.5,64.5 26.7,64.7 26.7,65.3 ; 85.25,79.86 85.25,81.36 84.25,81.36 83.41,82.21 83.41,82.51 ; v1(23,75.1) 22.95,75.15 22.25,75.15 ; v1(59.5,48.6) v1(61.4,46.7) ; 40.4,71.3 40.43,71.33 40.43,73.24 ; 77.5,53.8 v1(77.5,54.7) ; 18.6,87.4 18.6,83.2 18.75,83.05 18.75,82.45 ; 83.93,61.16 83.93,62.09 v1(83.92,62.09) ; 40.74,67.33 39.83,67.33 v1(39.82,67.33) ; 84.26,68.38 84.9,68.38 ; 42.6,76.08 41.96,76.08 ; v1(47.15,37.75) v1(48.7,39.3) ; 15.2,82.7 15.2,84.75 15.25,84.8 ; v1(39.4,54) v1(39.4,51.1) ; 86.16,84.86 v1(86.16,86.16) ; 46.9,81.4 46.85,81.45 45.65,81.45 ; 70,81.21 70.5,81.21 70.86,81.56 70.86,82.66 70.16,83.36 70.16,87.46 ; 39.8,81.76 39.8,80.3 36.9,80.3 ; v1(40.1,54.6) v1(40.1,50.9) ; 31.2,80.9 31.2,79.6 31,79.4 ; 9.4,77.2 11,77.2 ; 22.3,87.4 24.25,87.4 v1(24.25,86.1) ; 18.9,61.29 19.47,60.73 20.44,60.73 ; v1(20,57.7) 19.4,57.1 19.4,56.2 ; v1(23,57.1) 23,56.2 ; v1(86.66,89.06) 87.66,89.06 ; v1(63.82,70.59) 63.83,70.59 63.83,69.66 ; v1(60.4,48.6) v1(61.8,47.2) ; 87.06,79.86 87.06,81.36 87.86,81.36 88,81.21 88.91,81.21 ; 26.15,84.8 26.1,84.75 26.1,82.7 ; 64.75,82.25 64.75,83.25 64.7,83.3 63.8,83.3 63.7,83.4 61.1,83.4 v1(60.2,82.5) ; 63.28,74.04 64.18,74.04 65.18,73.05 ; v1(43.3,80.4) 43.25,80.45 42.55,80.45 ; v1(81.9,54.7) 81.9,53.8 ; v1(21.97,64.42) 21.98,64.42 21.98,63.56 ; 74.46,87.46 74.46,88.46 73.86,89.06 72.96,89.06 ; 67.4,61.7 v1(67.4,63.2) ; 19.5,76.46 19.5,75 16.6,75 ; 64.75,81.25 65.45,81.25 v1(65.5,81.2) ; v1(40.8,55.2) v1(40.8,50.7) ; 42.55,79.95 41.35,79.95 ; 36.4,60.1 v1(36.4,61)
  Bottom w0.4: 36.9,83.2 36.1,84 30.7,84 30.5,83.8 30.5,80.79 30.21,80.5 28.9,80.5 27.7,79.3 27.7,77.9 ; 36.9,83.2 36.9,81.7 ; 36.9,83.2 46.4,83.2 48.1,81.5 48.1,71.8 48.4,71.5 48.4,70.6 ; 68.46,84.06 68.46,83.45 68.7,83.2 68.7,81.4 71.75,78.35 ; 90.7,62.9 90.7,63.6 90,64.3 90,74.6 87,77.6 86.1,77.6 ; 72.6,78.2 72.4,78.2 70.6,76.4 70.6,71.4 ; 71.75,78.35 71.75,81.16 71.71,81.21 ; 71.75,78.35 71.84,78.26 72.65,78.26 ; 28.1,63.6 28.1,66.82 27.9,67.02 27.9,76 26.48,77.42 23.68,77.42 23.23,77.87 16.83,77.87 16.8,77.9 14.3,77.9
  Bottom w1.5: 30.05,74.55 30.05,72.85 29.5,72.3 29.5,60.15 v1(30.33,59.33) v1(30.75,58.9) ; v1(22.15,52.4) 11.2,52.4 9.25,54.35 9.25,69.92
  vias: v1(20.35,52.4) v1(20.95,52.4) v1(21.55,52.4) v1(30.35,58.4) v1(30.55,47.2) v1(31.2,58.4) v1(31.65,47.2) v1(32.2,47.2) v1(33.6,51.75) v1(34,40.5) v1(34,39.7) v1(34.05,52.2) v1(34.4,40.1) v1(34.5,52.65) v1(34.5,51.75) v1(34.8,40.5) v1(36.2,44.9) v1(36.75,44.9) v1(37.3,44.9) v1(37.85,44.9) v1(41.5,48.6) v1(42,48.1) v1(42.5,47.6) v1(43,47.1) v1(43.9,50.5) v1(44.4,50) v1(44.6,51.1) v1(44.9,49.5) v1(45.1,50.6) v1(45.6,50.1) v1(47.2,56.7) v1(47.7,57.2) v1(48.2,57.7) v1(48.5,44.5) v1(48.7,58.2) v1(49,45) v1(49.2,43.8) v1(49.5,45.5) v1(49.6,54.8) v1(49.7,44.3) v1(50.1,55.3) v1(50.2,44.8) v1(50.3,54.1) v1(50.6,55.8) v1(50.7,62.15) v1(50.8,54.6) v1(51,61.65) v1(51.1,41.4) v1(51.3,62.15) v1(51.3,55.1) v1(51.65,61.65) v1(51.6,41.9) v1(51.9,76.6) v1(51.9,75.65) v1(52,62.15) v1(52.1,42.4) v1(52.6,76.1) v1(52.6,42.9) v1(53.3,76.6) v1(53.3,75.65) v1(54.2,49.7) v1(54.9,50.1) v1(54.9,49) v1(55.3,48.4) v1(55.4,49.6) v1(55.9,49.1) v1(56.7,52.5) v1(57.2,52) v1(57.7,51.5) v1(58.2,51) v1(59.75,57) v1(59.75,56.1) v1(59.75,55.2) v1(59.75,54.3) v1(63.5,52.3) v1(63.5,51.55) v1(63.5,50.8) v1(67.4,52.3) v1(67.4,50.8) v1(70,57.85) v1(70,57.2) v1(70,56.55) v1(70,55.9) v1(70,55.25) v1(71.8,66.3) v1(72.6,66.3) v1(73.3,68.1) v1(73.3,67.2) v1(73.3,66.3)
